# Altium PCB Allwinner_A13_BRD.PcbDoc (part 1 of 5) (continued)
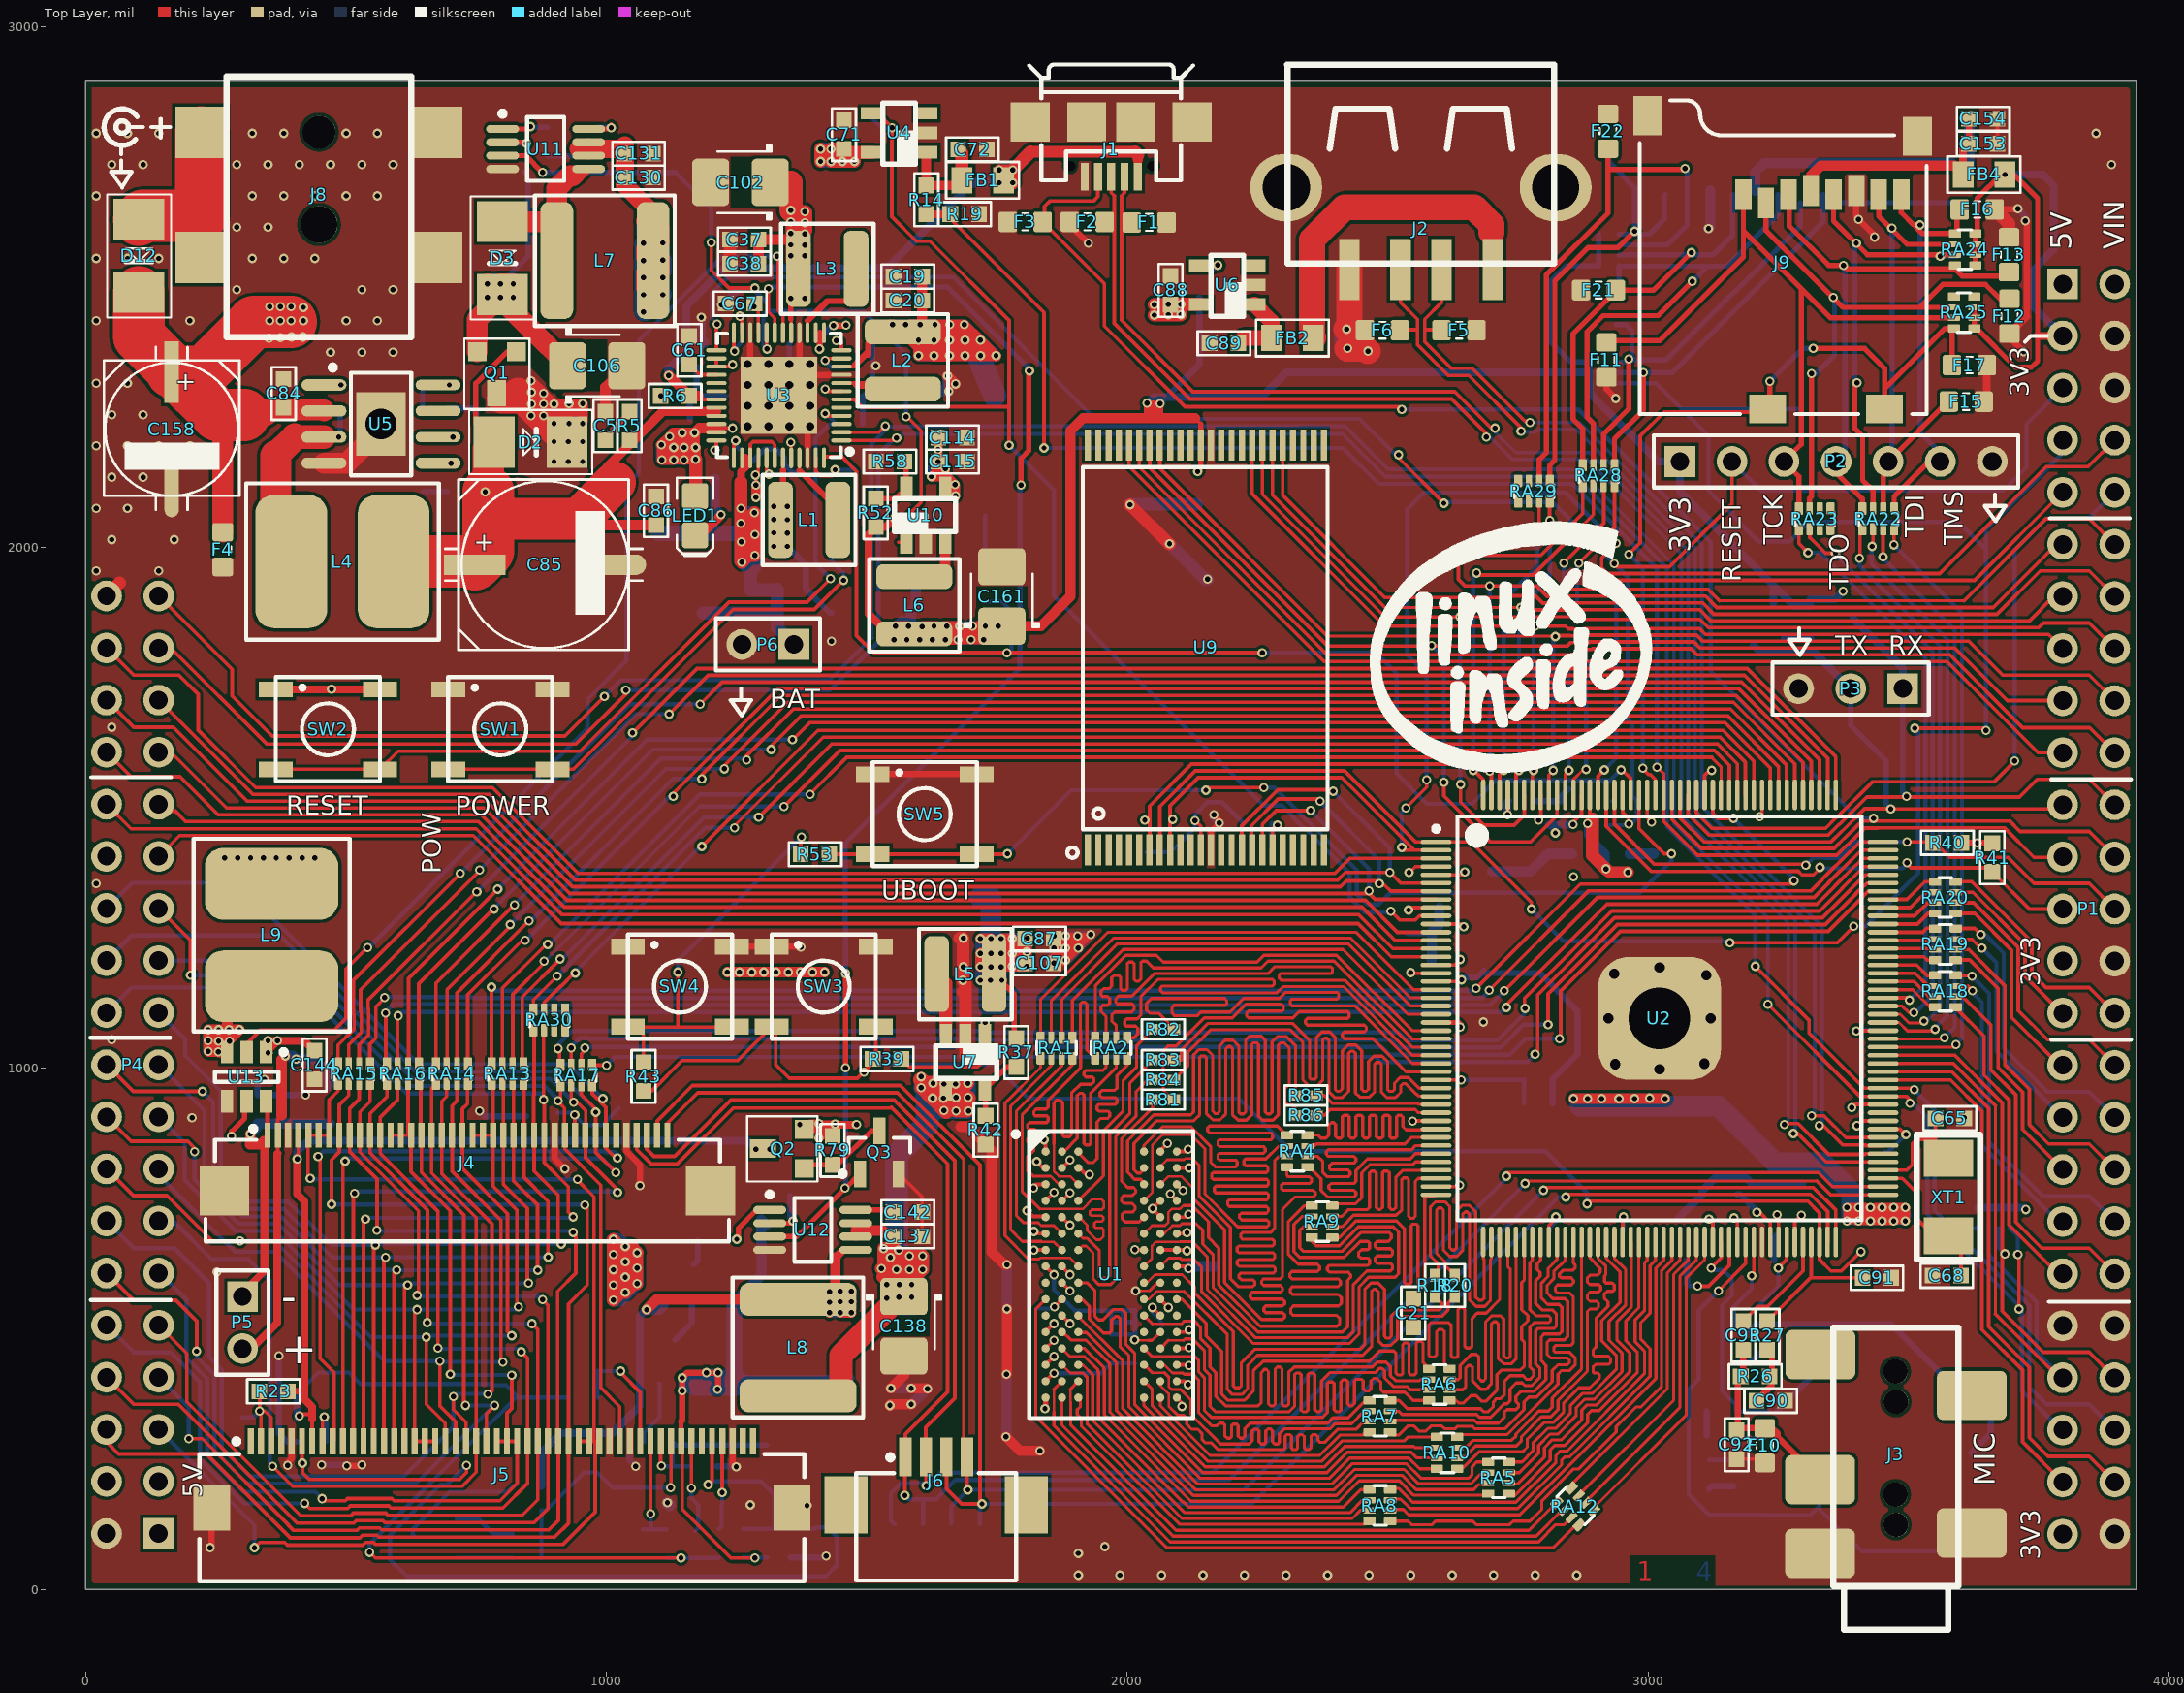
[diagram p0: Top Layer view]
## Footprints (in the part's own frame and the unit in brackets; to place one, negate y for a bottom-side part, rotate by r counter-clockwise, add the part's x,y. Pads: shape width x height; smd on the part's side, far side on the other; paste and mask are expansions set on the pad) (continued)
  rect 2.4x2.4 smd: 41(-11.85,-2.1) 42(11.85,-2.1)
  silkscreen extent -12.78,-4.57 12.75,1.04, body extent -12.75,-4.58 12.75,1.02, height 2.02
CAPMP3528X210N [mm] "Molded body capacitor, Body 3.5x2.8mm, 1210, IPC Nominal settings"
  round 0.254 on Mech14: 0(0,0)
  rrect25% 1.8x2.3 smd: 1(-1.45,0) 2(1.45,0)
  Top Layer pour cut-out: -0.508,1.27 0.508,1.27 0.508,-1.27 -0.508,-1.27
  silkscreen extent -1.5,-1.8 1.1,1.8, body extent -1.75,-1.4 1.75,1.4, height 2.1
CAPMP6032X280N [mm] "Capacitor, polarized, Molded Body, EIA 535BAAC size C; 6.00mm L X 3.20mm W X 2.80mm H"
  round 0.508 on Mech14: 0(0,0)
  rrect25% 2.35x2.25 smd: 1(-2.45,0) 2(2.45,0)
  silkscreen extent -2.45,-1.95 2.45,1.95, body extent -3,-1.6 3,1.6, height 2.8
Ceramic_crystal_5x3.2 [mm]
  rect 1.8x2.4 smd: 1(-1.9,0) 2(1.9,0)
  silkscreen extent -3.05,-1.55 3.05,1.55, body extent -2.5,-1.65 2.5,1.55, height 1.32
D008_L_PowerPad [mm] "8-Pin Small Outline Integrated Circuit 1.27 mm Pitch, IPC High Density"
  oval 2.2x0.55 smd: 1(-2.785,1.905) 2(-2.785,0.635) 3(-2.785,-0.635) 4(-2.785,-1.905) 5(2.785,-1.905)
  oval 2.2x0.5 smd: 6(2.785,-0.635) 7(2.785,0.635) 8(2.785,1.905)
  rect 2.4x3.1 hole 1.5: 9(0,0)
  silkscreen extent -2.47,-2.5 1.47,2.88, body extent -3,-2.45 3,2.45, height 1.7
DC-050 [mm]
  rect 2.5x2.5 smd: 2(5,5.75) 3(11.1,5.75) 4(5,-5.75) 4(11.1,-5.75)
  round 1.6 hole 1.6 unplated: 5(5,0)
  round 1.8 hole 1.8 unplated: 6(9.5,0)
  silkscreen extent 2.29,-4.5 15,4.5, body extent 0,-4.44 14.99,4.45, height 11
DIODE-SMA [mm]
  rect 2x2.5 smd: A(-0.875,0) K(-4.425,0)
  silkscreen extent -5.65,-1.58 0.35,1.55, body extent -5.2,-1.3 0,1.3, height 2.4
EXV28V [mm] "resistor network"
  round 0.254 on Mech14: 0(0,0)
  rrect25% 0.6x0.4 smd: 1(-0.5,0.775) 4(-0.5,-0.775) 5(0.5,-0.775) 8(0.5,0.775)
  rrect25% 0.6x0.3 smd: 2(-0.5,0.25) 3(-0.5,-0.25) 6(0.5,-0.25) 7(0.5,0.25)
  silkscreen extent -0.3,-0.97 0.33,0.97, body extent -0.5,-1 0.5,1, height 0.35
FH12A-50S-0.5SH [mm] "Connector; FH12 Series; 50 Position; 0.5mm Spaced Top Contact"
  rect 0.3x1.3 smd: 1(-12.25,1.625) 2(-11.75,1.625) 3(-11.25,1.625) 4(-10.75,1.625) 5(-10.25,1.625) 6(-9.75,1.625) 7(-9.25,1.625) 8(-8.75,1.625) 9(-8.25,1.625) 10(-7.75,1.625) 11(-7.25,1.625) 12(-6.75,1.625) 13(-6.25,1.625) 14(-5.75,1.625) 15(-5.25,1.625) 16(-4.75,1.625) 17(-4.25,1.625) 18(-3.75,1.625) 19(-3.25,1.625) 20(-2.75,1.625) 21(-2.25,1.625) 22(-1.75,1.625) 23(-1.25,1.625) 24(-0.75,1.625) 25(-0.25,1.625) 26(0.25,1.625) 27(0.75,1.625) 28(1.25,1.625) 29(1.75,1.625) 30(2.25,1.625) 31(2.75,1.625) 32(3.25,1.625) 33(3.75,1.625) 34(4.25,1.625) 35(4.75,1.625) 36(5.25,1.625) 37(5.75,1.625) 38(6.25,1.625) 39(6.75,1.625) 40(7.25,1.625) 41(7.75,1.625) 42(8.25,1.625) 43(8.75,1.625) 44(9.25,1.625) 45(9.75,1.625) 46(10.25,1.625) 47(10.75,1.625) 48(11.25,1.625) 49(11.75,1.625) 50(12.25,1.625)
  rect 1.8x2.2 smd: 51(14.15,-1.625) 52(-14.15,-1.625)
  silkscreen extent -14.75,-5.2 14.75,1.75, body extent -14.73,-5.22 14.77,1.78, height 2.03
HDR1X2 [mm] "Connector; Header; 2 Position"
  rect 1.5x1.5 hole 0.9: 1(0,0)
  round 1.5 hole 0.9: 2(2.54,0)
  silkscreen extent -1.27,-1.27 3.81,1.27
HDR1X3 [mm] "Connector; Header; 3 Position"
  rect 1.5x1.5 hole 0.9: 1(0,0)
  round 1.5 hole 0.9: 2(2.54,0) 3(5.08,0)
  silkscreen extent -1.27,-1.27 6.35,1.27
HDR1X7 [mm] "Connector; Header; 7 Position"
  rect 1.5x1.5 hole 0.9: 1(0,0)
  round 1.5 hole 0.9: 2(2.54,0) 3(5.08,0) 4(7.62,0) 5(10.16,0) 6(12.7,0) 7(15.24,0)
  silkscreen extent -1.27,-1.27 16.51,1.27
HDR2X19 [mm] "Connector; Header; 19x2 Position"
  rect 1.5x1.5 hole 0.9: 1(0,0)
  round 1.5 hole 0.9: 2(0,2.54) 3(2.54,0) 4(2.54,2.54) 5(5.08,0) 6(5.08,2.54) 7(7.62,0) 8(7.62,2.54) 9(10.16,0) 10(10.16,2.54) 11(12.7,0) 12(12.7,2.54) 13(15.24,0) 14(15.24,2.54) 15(17.78,0) 16(17.78,2.54) 17(20.32,0) 18(20.32,2.54) 19(22.86,0) 20(22.86,2.54) 21(25.4,0) 22(25.4,2.54) 23(27.94,0) 24(27.94,2.54) 25(30.48,0) 26(30.48,2.54) 27(33.02,0) 28(33.02,2.54) 29(35.56,0) 30(35.56,2.54) 31(38.1,0) 32(38.1,2.54) 33(40.64,0) 34(40.64,2.54) 35(43.18,0) 36(43.18,2.54) 37(45.72,0) 38(45.72,2.54)
HDR2X25 [mm] "Connector; Header; 25x2 Position"
  rect 1.5x1.5 hole 0.9: 1(0,0)
  round 1.5 hole 0.9: 2(0,2.54) 3(2.54,0) 4(2.54,2.54) 5(5.08,0) 6(5.08,2.54) 7(7.62,0) 8(7.62,2.54) 9(10.16,0) 10(10.16,2.54) 11(12.7,0) 12(12.7,2.54) 13(15.24,0) 14(15.24,2.54) 15(17.78,0) 16(17.78,2.54) 17(20.32,0) 18(20.32,2.54) 19(22.86,0) 20(22.86,2.54) 21(25.4,0) 22(25.4,2.54) 23(27.94,0) 24(27.94,2.54) 25(30.48,0) 26(30.48,2.54) 27(33.02,0) 28(33.02,2.54) 29(35.56,0) 30(35.56,2.54) 31(38.1,0) 32(38.1,2.54) 33(40.64,0) 34(40.64,2.54) 35(43.18,0) 36(43.18,2.54) 37(45.72,0) 38(45.72,2.54) 39(48.26,0) 40(48.26,2.54) 41(50.8,0) 42(50.8,2.54) 43(53.34,0) 44(53.34,2.54) 45(55.88,0) 46(55.88,2.54) 47(58.42,0) 48(58.42,2.54) 49(60.96,0) 50(60.96,2.54)
Inductor-Multicomp-MCSDC060 [mm]
  rrect50% 3.5x6.5 smd: 1(-2.5,0) 2(2.5,0)
  silkscreen extent -4.7,-3.81 4.7,3.81, body extent -2.2,-2.25 2.2,2.25, height 3.27
LED-0805-K [mil]
  round 20 on Mech14: 0(0,0)
  rrect25% 50x50 smd: A(-37.5,0) K(37.5,0)
  Top Layer pour cut-out: -15,30 15,30 15,-30 -15,-30
  silkscreen extent -72,-35 77,35, body extent -39,-25 39,25, height 31
LQFP176L [mm]
  oval 1.5x0.22 smd: 1(-10.9,8.6) 2(-10.9,8.2) 3(-10.9,7.8) 4(-10.9,7.4) 5(-10.9,7) 6(-10.9,6.6) 7(-10.9,6.2) 8(-10.9,5.8) 9(-10.9,5.4) 10(-10.9,5) 11(-10.9,4.6) 12(-10.9,4.2) 13(-10.9,3.8) 14(-10.9,3.4) 15(-10.9,3) 16(-10.9,2.6) 17(-10.9,2.2) 18(-10.9,1.8) 19(-10.9,1.4) 20(-10.9,1) 21(-10.9,0.6) 22(-10.9,0.2) 23(-10.9,-0.2) 24(-10.9,-0.6) 25(-10.9,-1) 26(-10.9,-1.4) 27(-10.9,-1.8) 28(-10.9,-2.2) 29(-10.9,-2.6) 30(-10.9,-3) 31(-10.9,-3.4) 32(-10.9,-3.8) 33(-10.9,-4.2) 34(-10.9,-4.6) 35(-10.9,-5) 36(-10.9,-5.4) 37(-10.9,-5.8) 38(-10.9,-6.2) 39(-10.9,-6.6) 40(-10.9,-7) 41(-10.9,-7.4) 42(-10.9,-7.8) 43(-10.9,-8.2) 44(-10.9,-8.6) 89(10.9,-8.6) 90(10.9,-8.2) 91(10.9,-7.8) 92(10.9,-7.4) 93(10.9,-7) 94(10.9,-6.6) 95(10.9,-6.2) 96(10.9,-5.8) 97(10.9,-5.4) 98(10.9,-5) 99(10.9,-4.6) 100(10.9,-4.2) 101(10.9,-3.8) 102(10.9,-3.4) 103(10.9,-3) 104(10.9,-2.6) 105(10.9,-2.2) 106(10.9,-1.8) 107(10.9,-1.4) 108(10.9,-1) 109(10.9,-0.6) 110(10.9,-0.2) 111(10.9,0.2) 112(10.9,0.6) 113(10.9,1) 114(10.9,1.4) 115(10.9,1.8) 116(10.9,2.2) 117(10.9,2.6) 118(10.9,3) 119(10.9,3.4) 120(10.9,3.8) 121(10.9,4.2) 122(10.9,4.6) 123(10.9,5) 124(10.9,5.4) 125(10.9,5.8) 126(10.9,6.2) 127(10.9,6.6) 128(10.9,7) 129(10.9,7.4) 130(10.9,7.8) 131(10.9,8.2) 132(10.9,8.6)
  oval 0.22x1.5 smd: 45(-8.6,-10.9) 46(-8.2,-10.9) 47(-7.8,-10.9) 48(-7.4,-10.9) 49(-7,-10.9) 50(-6.6,-10.9) 51(-6.2,-10.9) 52(-5.8,-10.9) 53(-5.4,-10.9) 54(-5,-10.9) 55(-4.6,-10.9) 56(-4.2,-10.9) 57(-3.8,-10.9) 58(-3.4,-10.9) 59(-3,-10.9) 60(-2.6,-10.9) 61(-2.2,-10.9) 62(-1.8,-10.9) 63(-1.4,-10.9) 64(-1,-10.9) 65(-0.6,-10.9) 66(-0.2,-10.9) 67(0.2,-10.9) 68(0.6,-10.9) 69(1,-10.9) 70(1.4,-10.9) 71(1.8,-10.9) 72(2.2,-10.9) 73(2.6,-10.9) 74(3,-10.9) 75(3.4,-10.9) 76(3.8,-10.9) 77(4.2,-10.9) 78(4.6,-10.9) 79(5,-10.9) 80(5.4,-10.9) 81(5.8,-10.9) 82(6.2,-10.9) 83(6.6,-10.9) 84(7,-10.9) 85(7.4,-10.9) 86(7.8,-10.9) 87(8.2,-10.9) 88(8.6,-10.9) 133(8.6,10.9) 134(8.2,10.9) 135(7.8,10.9) 136(7.4,10.9) 137(7,10.9) 138(6.6,10.9) 139(6.2,10.9) 140(5.8,10.9) 141(5.4,10.9) 142(5,10.9) 143(4.6,10.9) 144(4.2,10.9) 145(3.8,10.9) 146(3.4,10.9) 147(3,10.9) 148(2.6,10.9) 149(2.2,10.9) 150(1.8,10.9) 151(1.4,10.9) 152(1,10.9) 153(0.6,10.9) 154(0.2,10.9) 155(-0.2,10.9) 156(-0.6,10.9) 157(-1,10.9) 158(-1.4,10.9) 159(-1.8,10.9) 160(-2.2,10.9) 161(-2.6,10.9) 162(-3,10.9) 163(-3.4,10.9) 164(-3.8,10.9) 165(-4.2,10.9) 166(-4.6,10.9) 167(-5,10.9) 168(-5.4,10.9) 169(-5.8,10.9) 170(-6.2,10.9) 171(-6.6,10.9) 172(-7,10.9) 173(-7.4,10.9) 174(-7.8,10.9) 175(-8.2,10.9) 176(-8.6,10.9)
  rrect50% 6x6 smd: GND_PAD(0,0)
  silkscreen extent -11.02,-9.85 9.85,9.85, body extent -10.62,-10.62 10.64,10.62, height 1.6
MicroSD_Selfeject [mm]
  rect 0.8x1.5 smd: 1(-8.94,10.7) 2(-7.84,10.3) 3(-6.74,10.7) 4(-5.64,10.9) 5(-4.54,10.7) 6(-3.44,10.9) 7(-2.34,10.7) 8(-1.24,10.7)
  rect 1.8x1.4 smd: 9(-2.05,0.25) 10(-7.75,0.25)
  rect 1.4x1.9 smd: 11(-0.45,13.55) 12(-13.6,14.55)
  silkscreen extent -14,0 0,15.3, body extent -14.03,-0.08 0.06,15.12, height 1.87
MICT-JT-96 [mm] "BGA, 96-Balls, Body 14x8mm, Pitch 0.8mm"
  round 0.4 smd: A1(-3.2,6) A2(-2.4,6) A3(-1.6,6) A7(1.6,6) A8(2.4,6) A9(3.2,6) B1(-3.2,5.2) B2(-2.4,5.2) B3(-1.6,5.2) B7(1.6,5.2) B8(2.4,5.2) B9(3.2,5.2) C1(-3.2,4.4) C2(-2.4,4.4) C3(-1.6,4.4) C7(1.6,4.4) C8(2.4,4.4) C9(3.2,4.4) D1(-3.2,3.6) D2(-2.4,3.6) D3(-1.6,3.6) D7(1.6,3.6) D8(2.4,3.6) D9(3.2,3.6) E1(-3.2,2.8) E2(-2.4,2.8) E3(-1.6,2.8) E7(1.6,2.8) E8(2.4,2.8) E9(3.2,2.8) F1(-3.2,2) F2(-2.4,2) F3(-1.6,2) F7(1.6,2) F8(2.4,2) F9(3.2,2) G1(-3.2,1.2) G2(-2.4,1.2) G3(-1.6,1.2) G7(1.6,1.2) G8(2.4,1.2) G9(3.2,1.2) H1(-3.2,0.4) H2(-2.4,0.4) H3(-1.6,0.4) H7(1.6,0.4) H8(2.4,0.4) H9(3.2,0.4) J1(-3.2,-0.4) J2(-2.4,-0.4) J3(-1.6,-0.4) J7(1.6,-0.4) J8(2.4,-0.4) J9(3.2,-0.4) K1(-3.2,-1.2) K2(-2.4,-1.2) K3(-1.6,-1.2) K7(1.6,-1.2) K8(2.4,-1.2) K9(3.2,-1.2) L1(-3.2,-2) L2(-2.4,-2) L3(-1.6,-2) L7(1.6,-2) L8(2.4,-2) L9(3.2,-2) M1(-3.2,-2.8) M2(-2.4,-2.8) M3(-1.6,-2.8) M7(1.6,-2.8) M8(2.4,-2.8) M9(3.2,-2.8) N1(-3.2,-3.6) N2(-2.4,-3.6) N3(-1.6,-3.6) N7(1.6,-3.6) N8(2.4,-3.6) N9(3.2,-3.6) P1(-3.2,-4.4) P2(-2.4,-4.4) P3(-1.6,-4.4) P7(1.6,-4.4) P8(2.4,-4.4) P9(3.2,-4.4) R1(-3.2,-5.2) R2(-2.4,-5.2) R3(-1.6,-5.2) R7(1.6,-5.2) R8(2.4,-5.2) R9(3.2,-5.2) T1(-3.2,-6) T2(-2.4,-6) T3(-1.6,-6) T7(1.6,-6) T8(2.4,-6) T9(3.2,-6)
  silkscreen extent -4.77,-7 4,7, body extent -4,-7 4,7, height 0.25
PANACAP-D-GENERIC [mm]
  rect 3x0.7 smd: +(-2.794,0)
  oval 3x0.7 smd: -(2.794,0)
  silkscreen extent -4,-3.3 3.93,3.3, body extent -3.5,-3.3 3.5,3.3, height 5.4
PANACAP-E-GENERIC [mm]
  rect 3x1 smd: +(-3.429,0)
  oval 3x1 smd: -(3.429,0)
  silkscreen extent -4.87,-4.15 4.75,4.15, body extent -4.63,-4.15 4.37,4.15, height 6.2
PushButtonGrid5.08x3.81 [mil]
  rect 65x30 smd: 1(-100,76.77) 1(100,76.77) 2(-100,-76.77) 2(100,-76.77)
  silkscreen extent -100,-100 100,100, body extent -126,-102 126,102, height 60
QFN48 [mm]
  oval 1x0.2 smd: 1(-3.05,2.2) 2(-3.05,1.8) 3(-3.05,1.4) 4(-3.05,1) 5(-3.05,0.6) 6(-3.05,0.2) 7(-3.05,-0.2) 8(-3.05,-0.6) 9(-3.05,-1) 10(-3.05,-1.4) 11(-3.05,-1.8) 12(-3.05,-2.2) 25(3.05,-2.2) 26(3.05,-1.8) 27(3.05,-1.4) 28(3.05,-1) 29(3.05,-0.6) 30(3.05,-0.2) 31(3.05,0.2) 32(3.05,0.6) 33(3.05,1) 34(3.05,1.4) 35(3.05,1.8) 36(3.05,2.2)
  oval 0.2x1 smd: 13(-2.2,-3.05) 14(-1.8,-3.05) 15(-1.4,-3.05) 16(-1,-3.05) 17(-0.6,-3.05) 18(-0.2,-3.05) 19(0.2,-3.05) 20(0.6,-3.05) 21(1,-3.05) 22(1.4,-3.05) 23(1.8,-3.05) 24(2.2,-3.05) 37(2.2,3.05) 38(1.8,3.05) 39(1.4,3.05) 40(1,3.05) 41(0.6,3.05) 42(0.2,3.05) 43(-0.2,3.05) 44(-0.6,3.05) 45(-1,3.05) 46(-1.4,3.05) 47(-1.8,3.05) 48(-2.2,3.05)
  rect 3.75x3.75 smd: 49(0,0)
  silkscreen extent -3.58,-3.02 3.02,3.02, body extent -3,-3 3,3, height 1
SMDAudio3.5mm [mm]
  rrect25% 2.4x3.4 smd: 1(-3.4,-3.7) 2(3.3,-3.7) 3(-0.8,3.7) 4(5.3,3.683) 5(-4.4,3.7)
  round 1.2 hole 1.2 unplated: 6(-3,0) 7(3,0)
  silkscreen extent -8.13,-3.05 6.6,3.05, body extent -7.97,-3.05 6.6,3.05, height 5
SOT23-GDS [mil]
  rect 50x36 smd: D(80,-38)
  rect 36x36 smd: G(0,0) S(0,-75)
  silkscreen extent -25,-100 110,25, body extent -3,-95 94,20, height 41
SOT23_N [mm] "SOT23, 3-Leads, Body 2.9x1.3mm, Pitch 0.95mm, Lead Span 2.3mm, IPC Medium Density"
  rect 1.3x0.6 smd: 1(-1.05,0.95) 2(-1.05,-0.95) 3(1.05,0)
  silkscreen extent -1.17,-1.5 0.7,1.93, body extent -0.7,-1.5 0.7,1.5, height 1.1
TAIYO_NR6028T4R7M [mm]
  rrect50% 1.6x5.7 smd: 1(-2.35,0) 2(2.35,0)
  silkscreen extent -3.4,-3.18 3.41,3.2, body extent -3,-3 3,3, height 2.8
TAIYO_NRS4018T2R2MDGJ [mm] "TAIYO"
  rrect50% 1.2x3.7 smd: 1(-1.4,0) 2(1.4,0)
  silkscreen extent -2.26,-2.2 2.26,2.2, body extent -1.5,-1.5 1.5,1.5, height 1.35
TI-DBV6_N [mm] "SOT-23, 6-Leads, Body 2.90x1.60mm, Pitch 0.95mm, IPC Medium Density"
  rect 1.1x0.6 smd: 1(-1.2,0.95) 2(-1.2,0) 3(-1.2,-0.95) 4(1.2,-0.95) 5(1.2,0) 6(1.2,0.95)
  silkscreen extent -1.32,-1.55 0.25,1.93, body extent -0.87,-1.52 0.87,1.53, height 1.45
TI-DGK8_N [mm] "SOP, 8-Leads, Body 3x3mm, Pitch 0.65mm, IPC Medium Density"
  oval 1.6x0.4 smd: 1(-2.1,0.975) 2(-2.1,0.325) 3(-2.1,-0.325) 4(-2.1,-0.975) 5(2.1,-0.975) 6(2.1,-0.325) 7(2.1,0.325) 8(2.1,0.975)
  silkscreen extent -2.22,-1.55 0.9,1.85, body extent -1.55,-1.55 1.55,1.55, height 1.1
TSOP-48 [mil]
  rect 12x60 smd: 1(-226.38,-388.78) 2(-206.69,-388.78) 3(-187.01,-388.78) 4(-167.32,-388.78) 5(-147.64,-388.78) 6(-127.95,-388.78) 7(-108.27,-388.78) 8(-88.58,-388.78) 9(-68.9,-388.78) 10(-49.21,-388.78) 11(-29.53,-388.78) 12(-9.84,-388.78) 13(9.84,-388.78) 14(29.53,-388.78) 15(49.21,-388.78) 16(68.9,-388.78) 17(88.58,-388.78) 18(108.27,-388.78) 19(127.95,-388.78) 20(147.64,-388.78) 21(167.32,-388.78) 22(187.01,-388.78) 23(206.69,-388.78) 24(226.38,-388.78) 25(226.38,388.78) 26(206.69,388.78) 27(187.01,388.78) 28(167.32,388.78) 29(147.64,388.78) 30(127.95,388.78) 31(108.27,388.78) 32(88.58,388.78) 33(68.9,388.78) 34(49.21,388.78) 35(29.53,388.78) 36(9.84,388.78) 37(-9.84,388.78) 38(-29.53,388.78) 39(-49.21,388.78) 40(-68.9,388.78) 41(-88.58,388.78) 42(-108.27,388.78) 43(-127.95,388.78) 44(-147.64,388.78) 45(-167.32,388.78) 46(-187.01,388.78) 47(-206.69,388.78) 48(-226.38,388.78)
  silkscreen extent -266,-404 234,346, body extent -238,-398 238,398, height 47
TSOT23-5 [mm]
  rect 0.6x1.1 smd: 1(-0.95,-1.32) 2(0,-1.32) 3(0.95,-1.32) 4(0.95,1.32) 5(-0.95,1.32)
  silkscreen extent -1.52,-0.8 1.45,0.8, body extent -1.5,-1.5 1.5,1.5, height 1.42
USB-MICRO-HW-MC-5F [mm]
  rect 0.38x1.35 smd: 1(-1.3,2.675) 5(1.3,2.675)
  rect 0.4x1.35 smd: 2(-0.65,2.675) 3(0,2.675) 4(0.65,2.675)
  rect 1.9x1.9 smd: 6(-3.95,0) 7(-1.2,0) 8(1.2,0) 9(3.95,0)
  round 0 hole 0.5 unplated: 10(-2,2.15) 11(2,2.15)
  silkscreen extent -4,-2.8 4,2.85, body extent -3.99,-2.78 3.99,2.65, height 2.71
USBA_HW-UAF-12 [mm]
  rect 1x3 smd: 1(-3.5,4) 2(-1,4) 3(1,4) 4(3.5,4)
  oval 3.5x3.3 hole 2.3: 5(-6.57,0) 6(6.57,0)
  silkscreen extent -6.5,-5.99 6.53,3.7, body extent -6.57,-8.51 6.57,3.68, height 5.5

## Part data
C1 C2 C3 C4 C5 C7 C8 C9 C10 C11 C12 C13 C14 C15 C16 C17 C18 C19 C21 C22 C23 C26 C27 C28 C29 C30 C31 C32 C33 C34 C35 C36 C37 C39 C41 C43 C44 C45 C46 C48 C55 C57 C58 C59 C60 C61 C62 C63 C66 C71 C72 C73 C76 C79 C81 C82 C86 C87 C88 C89 C94 C96 C97 C104 C105 C107 C114 C115 C116 C117 C130 C131 C132 C136 C137 C139 C143 C144 C145 C146 C147 C148 C150 C151 C152 C153 C154 C155 C156 C159 C160: library part 0603C-10UF-6V3-X5R-MUR, "CAPACITOR 0603 CERAMIC"
C6 C56 C64 C67 C70 C75 C78 C84 C149 C157: library part 0603C-1UF-25V-X5R-SAM, "CAPACITOR 0603 CERAMIC"
C20 C38: library part 0603C-1NF-50V-X7R-KEM, "CAPACITOR 0603 CERAMIC"
C24 C25 C40 C42 C47 C49 C50 C51 C52 C53 C54 C74 C77 C80 C83 C90 C91 C92 C93 C95 C98 C109 C110 C111 C118 C120 C126 C127 C128 C129 C135 C142: library part 0603C-100NF-25V-X7R-TDK, "CAPACITOR 0603 CERAMIC"
C65 C68: library part 0603C-33PF-50V-C0G-PAN, "CAPACITOR 0603 CERAMIC"
C69 C102 C106 C112 C134 C138 C161: library part CAPT_47u_1210_6V3, "Capacitor SMD Tantalum 47uF 20% 6.3V 1210"
C85: library part PANACAP-47UF-50V-FK, "GENERIC CAPACITOR POLARISED"
C99 C100 C101 C103 C108: library part 0603C-1NF-50V-X7R, "CAPACITOR 0603 CERAMIC"
C133: library part CAPT_47u_6032_16V, "Capacitor SMD Tantalum 47uF 10% 16V 6032-28"
C158: library part PANACAP-100UF-16V-FK, "GENERIC CAPACITOR POLARISED"
D1 D2 D3 D4 D5 D7 D9 D12: "DIODE"
D6 D8 D10 D11: "Schottky Barrier Double Diode"
F1 F2 F3 F4 F5 F6 F7 F8 F9 F10 F11 F12 F13 F14 F15 F16 F17 F18 F19 F20 F21 F22 F23 F24: library part ESD_SUPPRESSOR_24VDC, "ESD Suppressor 24VDC 0603 SMD"
FB1 FB2 FB4 FB5: library part 0805FB-GENERIC, "FERRITE BEAD SMD"
J5: library part CL586-0559-3, "FH12 Series, \"Flip-Lock\" SMT/ZIF FFC/FPC Connector - 0.5mm Spaced Top Contact"
J6: library part 52793-0470
L1 L2 L3 L5 L6 L7 L8: library part inductor_smd
L4 L9: library part "Inductor Iron", "Magnetic-Core Inductor"
LED1: library part LED_SMD_Blue_0805_100mcd, "LED 0805 SMD Blue 100mcd 470nm"
P1: "Header, 25-Pin, Dual row"
P2: "Header, 7-Pin"
P3: "Header, 3-Pin"
P4: "Header, 19-Pin, Dual row"
P5 P6: "Header, 2-Pin"
Q1 Q2: library part DMP2305, "P CHANNEL MOSFET"
Q3: library part BC847, "NPN General-purpose Transistor"
R1: library part 0603R-240, "GENERIC RESISTOR 0603"
R2 R3 R7 R9 R10 R14 R17 R19 R22 R23 R25 R46 R47 R48 R49 R59: library part 0603R-10K, "GENERIC RESISTOR 0603"
R4: library part 2512R-7R5, "GENERIC RESISTOR 2512"
R5 R6: library part 0603R-1R, "GENERIC RESISTOR 0603"
R8 R11 R21 R26 R27 R34 R35 R36 R39 R40 R41 R43 R50 R51 R53 R61: library part 0603R-220K, "GENERIC RESISTOR 0603"
R12 R15 R24 R28 R29 R30 R32 R33 R37 R42 R44 R45 R52 R54 R55 R56 R57 R58 R60 R64 R65 R66 R67 R68 R69 R70 R71 R72 R73 R74 R75 R76 R77 R78 R79: library part 0603R-2K2, "GENERIC RESISTOR 0603"
R13 R16: library part 0603R-47K, "GENERIC RESISTOR 0603"
R18 R20 R81 R82 R83 R84 R85 R86: library part 0402R-GENERIC, "RESISTOR 0402 GENERIC"
RA1 RA2 RA3 RA4 RA5 RA6 RA7 RA8 RA9 RA10 RA12 RA13 RA14 RA15 RA16 RA17 RA18 RA19 RA20 RA22 RA23 RA24 RA25 RA26 RA27 RA28 RA29 RA30: library part RES_ARRAY_0402_5%, "Resistor array 4-pack 5% 0402 SMD"
U1: "1Gb DDR3-1333 SDRAM, 256Mb x 16, 1.5ns, 1.5V, -40 to 95 degC, 96-Ball FBGA, Pb-Free"
U11 U12: "18.5 V, 2 A, 650 KHz / 1.2 MHz Step-Up DC-DC Converter with Forced PWM Mode, 2.3 to 6 V, -40 to 85 degC, 8-pin SOP (DGK8), Green (RoHS & no Sb/Br)"
U13: "High Brightness White LED Driver, 3 to 18 V, -40 to 85 degC, 6-pin SOT23 (DBV6), Green (RoHS & no Sb/Br)"
XT1: library part crystal_cermaic

## Via types
v1: diameter 18, hole 10, Top Layer to Bottom Layer, tented both sides, 765 vias
v2: diameter 18/18/18/18 (per signal layer), hole 10, Top Layer to Bottom Layer, tented both sides, 41 vias
v3: diameter 25.98, hole 15.75, Top Layer to Bottom Layer, 16 vias
v4: diameter 39.37, hole 19.68, Top Layer to Bottom Layer, tented both sides, 8 vias
v5: diameter 18, hole 10, Top Layer to Bottom Layer, 3 vias
v6: diameter 157.48, hole 118.11, Top Layer to Bottom Layer, tented both sides, 1 vias